# Altium PCB DIO_MCX.PCBDOC (part 2 of 3) (continued)
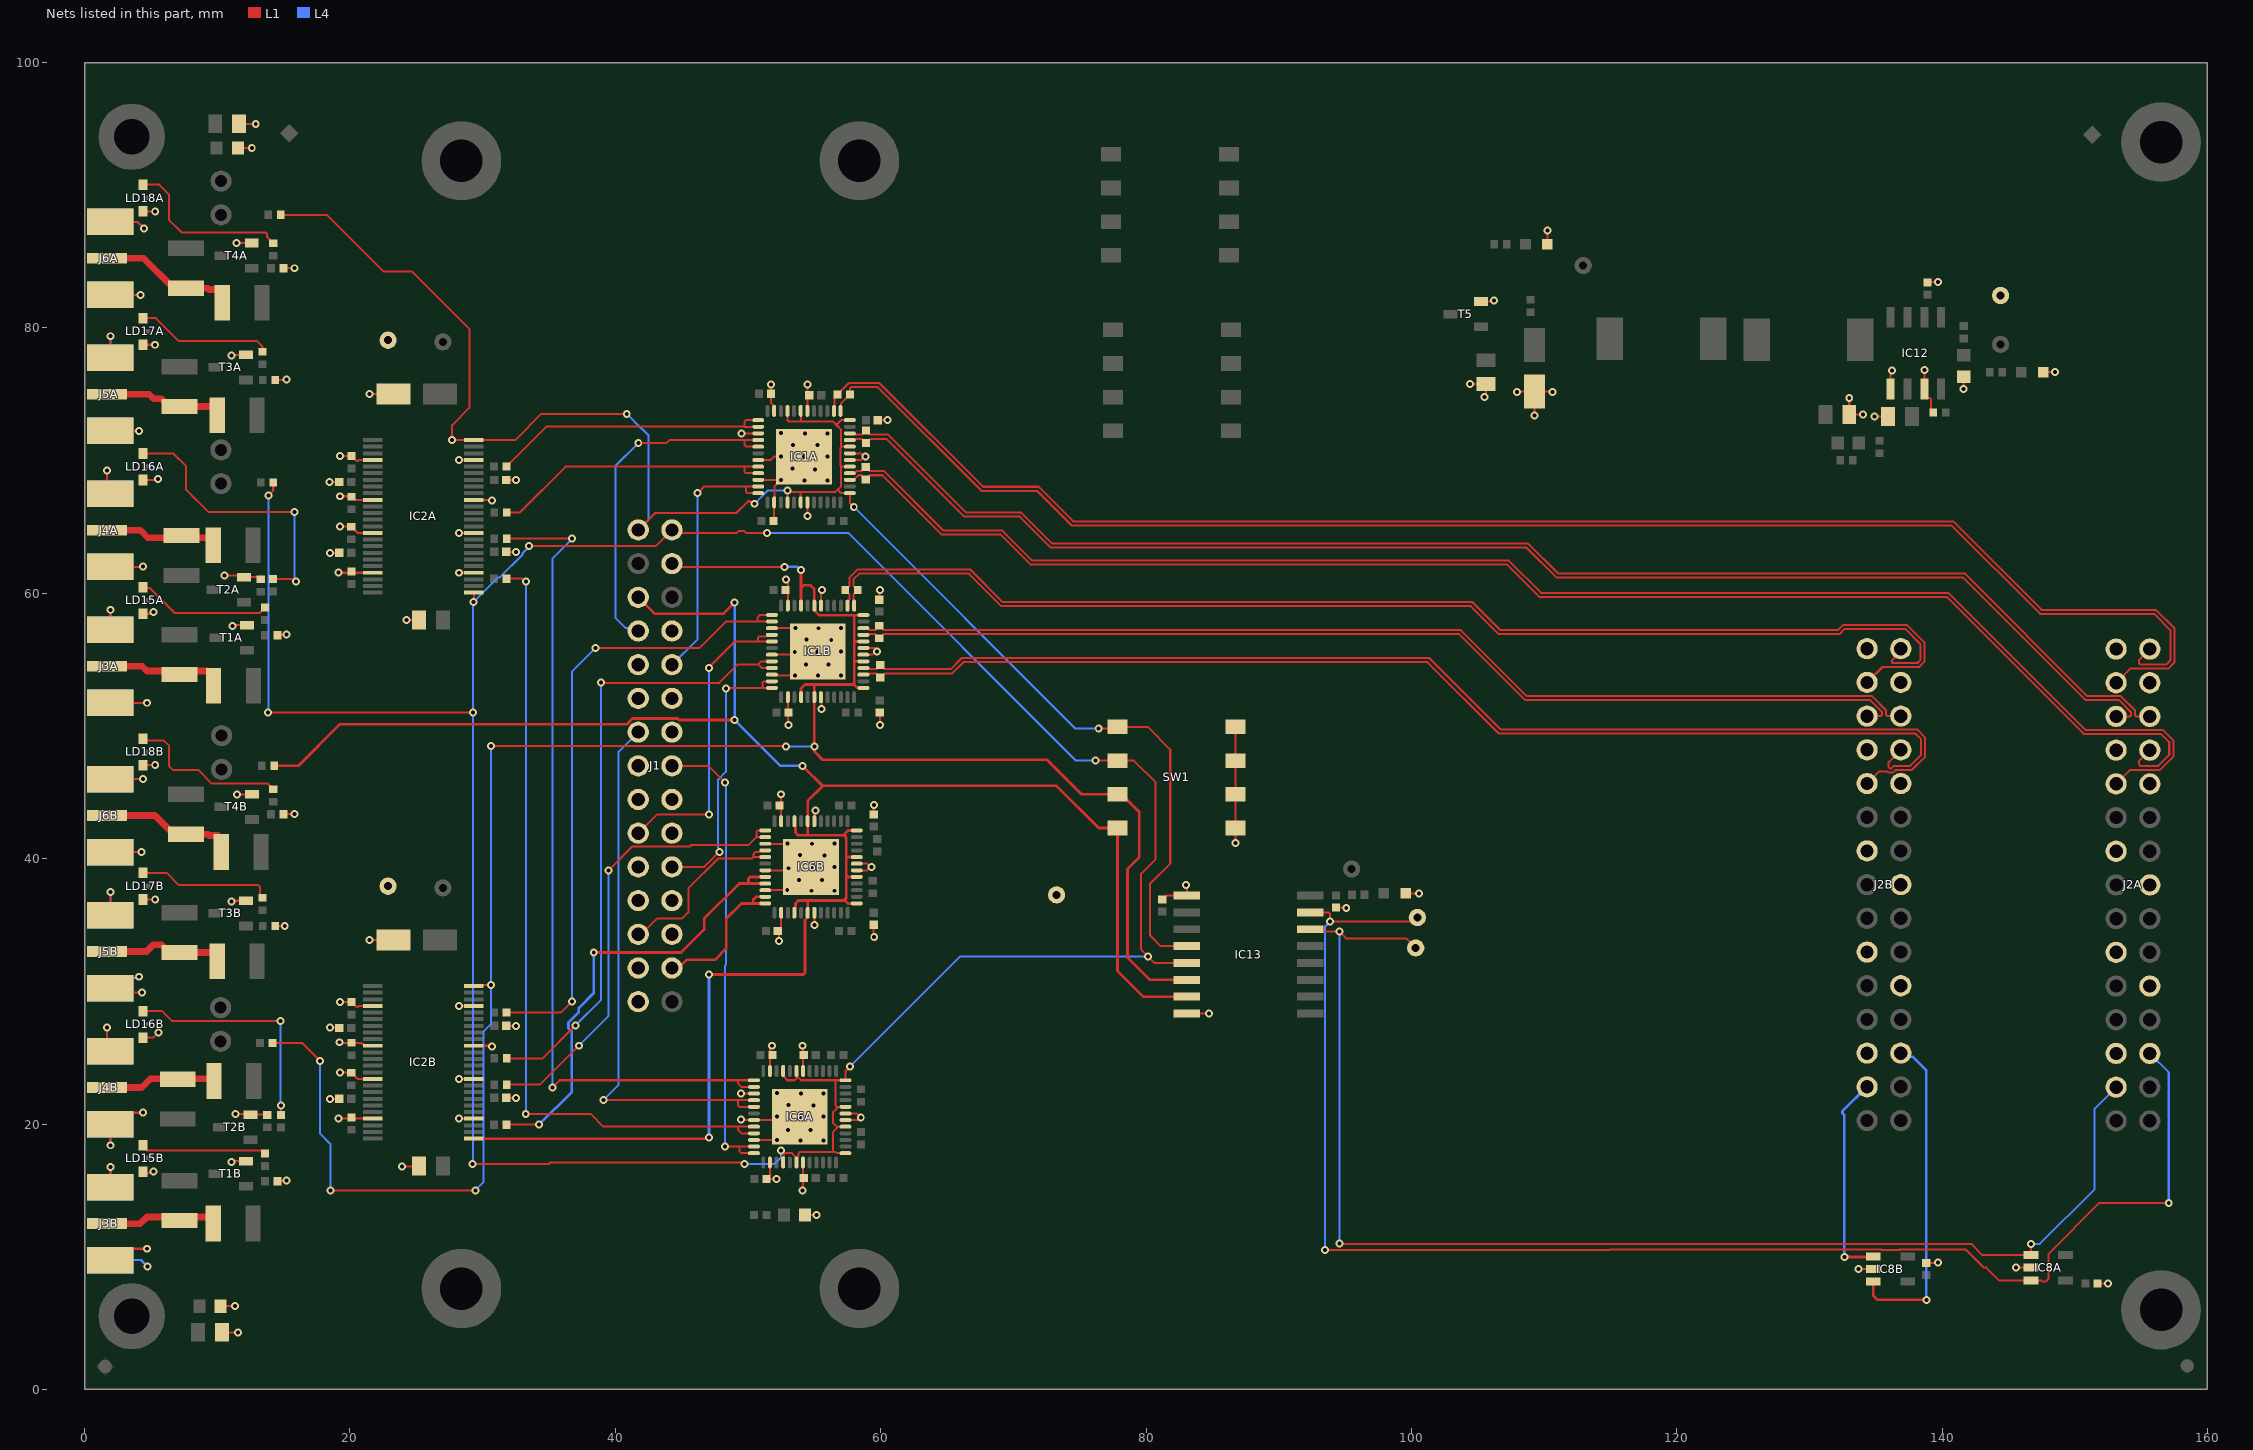
[diagram p4: the nets of this part, all layers, seen from the top]
## Via types
v1: diameter 0.6, hole 0.3, L1 to L4, tented both sides, 272 vias
v2: diameter 0.6, hole 0.3, L1 to L4, 52 vias

## Nets (pads, with @x,y where several pads share a name; then routed paths per layer and width w, separated by ;. In a path a pad name is that pad's centre, name@x,y a point inside that pad or via, vN(x,y) a via of type N, cw(c..) or ccw(c..) an arc to the next point about the centre after c; other vN are vias at no path point)
DIR_CTRL0: IC1A.1 IC1A.5 IC1A.8 IC1A.12 IC1A.19 IC1A.21 IC1A.40 IC1A.42 IC2A.24 IC13.4 J1.30 R1.2 SW1.1 | length 133.1
  L1 w0.152: R1.2@14.784,88.523 18.261,88.523 22.517,84.267 24.658,84.267 29,79.925 29,73.975 27.699,72.674 v1(27.7,71.549) IC2A.24@29.325,71.55 32.458,71.55 34.432,73.523 v1(40.862,73.523) ; J1.30@41.73,64.78 43,66.05 49.124,66.05 50.012,66.938 50.138,66.938 50.192,66.884 50.244,66.884 50.379,66.75 v1(50.5,66.75) ; IC1A.40@52.975,66.85 52.975,67.636 53.034,67.695 53.089,67.639 53.975,67.639 ; IC1A.21@52.975,73.75 52.975,73.05 53.064,72.961 54,72.961 ; IC1A.42@53.975,66.85 53.975,67.639 ; IC1A.19@53.975,73.75 54,73.725 54,72.961 ; IC1A.5@57.675,69.55 57.064,69.55 ; IC1A.8@57.675,71.05 57.064,71.05 ; IC1A.12@57.675,73.05 57.013,73.05 56.707,72.744 56.707,72.646 ; v1(57.972,66.51) 57.947,66.51 57.675,66.782 IC1A.1@57.675,67.55 57.013,67.55 56.803,67.76 56.803,67.859 ; v1(76.435,49.809) 77.724,49.809 SW1.1@77.85,49.935 80.115,49.935 81.825,48.225 81.825,39.625 80.296,38.096 80.296,34.219 81.105,33.41 IC13.4@83.075,33.41 ; 53.975,67.639 56.583,67.639 56.803,67.859 ; 54,72.961 56.392,72.961 56.707,72.646 ; 56.707,72.646 57.022,72.331 57.022,71.092 57.064,71.05 ; 56.803,67.859 57.022,68.078 57.022,69.508 57.064,69.55 ; 57.064,69.55 56.975,69.639 56.975,70.961 57.064,71.05
  L4 w0.152: v1(40.862,73.523) 41.962,72.423 42,72.423 42.5,71.923 42.5,65.55 J1.30@41.73,64.78 ; v1(50.5,66.75) 51.5,67.75 v1(52.979,67.75) ; v1(57.972,66.51) 74.673,49.809 v1(76.435,49.809)
DIR_CTRL1: IC2A.1 IC6A.1 IC6A.5 IC6A.8 IC6A.12 IC6A.19 IC6A.21 IC6A.40 IC6A.42 IC13.5 J1.29 R2.2 SW1.2 | length 225.1
  L1 w0.152: v1(13.814,51) 29.257,51 v1(29.282,51.025) ; v1(13.86,67.377) 14.22,67.737 R2.2@14.22,68.35 ; v1(29.25,17) 35.006,17 35.106,17.1 49.661,17.1 49.75,17.011 v1(49.75,17) ; v1(29.325,59.35) 29.362,59.387 29.362,60.013 IC2A.1@29.325,60.05 ; v1(33.5,63.55) 43.04,63.55 J1.29@44.27,64.78 44.5,64.55 49.151,64.55 49.292,64.69 49.708,64.69 49.849,64.55 v1(51.425,64.55) ; IC6A.40@52.65,17.1 52.678,17.128 52.678,17.531 52.71,17.563 52.71,17.711 ; IC6A.21@52.65,24 52.65,23.66 52.724,23.586 52.724,23.576 52.86,23.44 52.86,23.4 52.96,23.3 53.51,23.3 53.65,23.44 IC6A.19@53.65,23.66 ; 52.799,17.8 53.311,17.8 53.4,17.711 53.4,17.7 53.576,17.524 53.576,17.514 IC6A.42@53.65,17.44 ; IC6A.42@53.65,17.1 IC6A.42@53.65,17.44 ; IC6A.19@53.65,24 IC6A.19@53.65,23.66 ; 56.821,21.298 56.425,20.902 56.425,20.063 56.688,19.8 56.81,19.8 ; IC6A.1@57.35,17.8 56.688,17.8 56.613,17.875 56.4,17.875 ; IC6A.5@57.35,19.8 56.81,19.8 ; IC6A.8@57.35,21.3 56.702,21.3 56.613,21.389 56.613,23.211 56.702,23.3 ; v1(57.685,24.328) 57.35,23.993 IC6A.12@57.35,23.3 56.702,23.3 ; v1(76.191,47.395) SW1.2@77.85,47.395 79.083,47.395 80.725,45.753 80.725,39.967 79.633,38.875 79.633,33.142 80.635,32.14 IC13.5@83.075,32.14 ; IC6A.42@53.65,17.44 53.724,17.514 53.724,17.524 53.81,17.61 53.81,17.786 53.899,17.875 56.4,17.875 ; IC6A.19@53.65,23.66 53.724,23.586 53.724,23.576 54,23.3 56.702,23.3 ; 56.4,17.875 56.4,19.39 56.81,19.8
  L4 w0.152: v1(13.814,51) 13.86,51.046 v1(13.86,67.377) ; v1(29.25,17) 29.282,17.032 v1(29.282,51.025) 29.282,59.307 v1(29.325,59.35) 31.182,61.207 31.292,61.207 33.003,62.918 33.003,63.028 33.5,63.525 v1(33.5,63.55) ; v1(49.75,17) 51.999,17 52.5,17.501 v1(52.5,18) ; v1(51.425,64.55) 57.564,64.55 74.719,47.395 v1(76.191,47.395) ; v1(57.685,24.328) 65.998,32.641 v1(80.134,32.641)
DIR_CTRL2: IC1B.1 IC1B.5 IC1B.8 IC1B.12 IC1B.19 IC1B.21 IC1B.40 IC1B.42 IC2B.24 IC13.6 J1.27 R32.2 SW1.3 | length 164.3
  L1 w0.152: R32.2@14.158,26.106 16.394,26.106 v1(17.75,24.75) ; v1(18.53,15) v1(29.45,15) ; IC2B.24@29.325,30.4 29.399,30.474 30.031,30.474 30.045,30.488 v1(30.621,30.488) ; v1(30.621,48.5) 52.812,48.5 v1(52.862,48.45) ; J1.27@44.27,62.24 44.51,62 v1(52.75,62)
  L1 w0.203: IC1B.40@54,52.17 54,52.818 54.302,53.12 55.048,53.12 ; IC1B.21@54,59.07 54,60.408 ; v1(54,61.746) 54,60.408 ; IC1B.1@58.7,52.87 58.681,52.889 58.231,52.889 58,53.12 ; IC1B.5@58.7,54.87 58,54.87 ; IC1B.8@58.7,56.37 58,56.37 ; IC1B.12@58.7,58.37 58.681,58.352 58.313,58.352 58.304,58.343 58,58.343 ; IC13.6@83.075,30.87 80.296,30.87 78.6,32.566 78.6,39.225 79.5,40.125 79.5,43.5 78.145,44.855 SW1.3@77.85,44.855 75.145,44.855 72.543,47.457 55.6,47.457 54.996,48.061 v1(54.996,48.45) 54.996,51.494 55,51.498 IC1B.42@55,52.17 55,53.072 55.048,53.12 ; 54,60.408 54.192,60.6 54.725,60.6 55,60.325 IC1B.19@55,59.07 55,58.744 55.048,58.695 55.048,58.672 55.25,58.47 55.25,58.462 55.369,58.343 58,58.343 ; 55.048,53.12 58,53.12 ; 58,53.12 58,54.87 ; 58,54.87 58,56.37 ; 58,56.37 58,58.343
  L4 w0.152: v1(17.75,24.75) 17.75,19.274 18.53,18.494 v1(18.53,15) ; v1(29.45,15) 30.061,15.611 30.061,26.961 30.621,27.521 v1(30.621,30.488) v1(30.621,48.5) ; v1(52.862,48.45) v1(54.996,48.45)
  L4 w0.203: v1(52.75,62) 53.683,62 53.936,61.746 v1(54,61.746)
DIR_CTRL3: IC2B.1 IC6B.1 IC6B.5 IC6B.8 IC6B.12 IC6B.19 IC6B.21 IC6B.40 IC6B.42 IC13.7 J1.26 R33.2 SW1.4 | length 167.4
  L1 w0.203: R33.2@14.3,47 16.103,47 19.229,50.126 40.862,50.126 41.304,50.569 44.696,50.569 44.807,50.457 v1(49,50.457) ; IC2B.1@29.325,18.9 46.747,18.9 46.758,18.911 46.988,18.911 v1(47.064,18.987) ; J1.26@41.73,59.7 42.968,58.462 48.155,58.462 v1(49,59.307) ; v1(47.064,31.273) 54.183,31.273 54.302,31.392 54.302,35.377 54.452,35.527 54.452,35.55 54.5,35.599 IC6B.42@54.5,35.925 54.5,36.84 ; IC6B.40@53.5,35.925 53.5,36.251 53.574,36.325 53.574,36.625 53.789,36.84 54.5,36.84 ; IC6B.21@53.5,42.825 53.5,42.499 53.576,42.423 53.576,41.965 53.776,41.765 54.5,41.765 ; v1(54.125,47) 55.635,45.49 ; IC6B.1@58.2,36.625 57.538,36.625 57.307,36.855 57.307,36.932 ; IC6B.5@58.2,38.625 57.538,38.625 57.4,38.763 ; IC6B.8@58.2,40.125 57.444,40.125 57.4,40.169 ; IC6B.12@58.2,42.125 57.538,42.125 57.305,41.892 57.305,41.67 ; IC13.7@83.075,29.6 79.783,29.6 77.85,31.533 SW1.4@77.85,42.315 76.435,42.315 73.26,45.49 55.635,45.49 ; 54.5,36.84 57.215,36.84 57.307,36.932 ; 54.5,41.765 57.21,41.765 57.305,41.67 ; 54.5,41.765 IC6B.19@54.5,42.825 54.5,44.355 55.635,45.49 ; 57.305,41.67 57.4,41.575 57.4,40.169 ; 57.307,36.932 57.4,37.025 57.4,38.763 ; 57.4,38.763 57.4,40.169
  L4 w0.203: v1(47.064,18.987) v1(47.064,31.273) ; v1(49,59.307) v1(49,50.457) 52.457,47 v1(54.125,47)
GND: B1.1 B4.1 B10A.1 B10B.1 C1A.1 C1B.1 C2A.1 C2B.1 C3A.1 C3B.1 C4A.1 C4B.1 C5.2 C6.2 C7A.1 C7B.1 C8A.1 C8B.1 C9A.1 C9B.1 C10A.1 C10B.1 C11A.1 C11B.1 C12A.1 C12B.1 C13.2 C14.1 C37.1 C38.1 C48A.1 C48B.1 C49A.1 C49B.1 C50A.1 C50B.1 C51A.1 C51B.1 C52A.2 C52B.2 C93.1 C95.1 C121.1 C123.1 IC1A.6 IC1A.7 IC1A.18 IC1A.23 IC1A.27 IC1A.31 IC1A.34 IC1A.38 IC1A.43 IC1A.49 IC1B.6 IC1B.7 IC1B.18 IC1B.23 IC1B.27 IC1B.31 IC1B.34 IC1B.38 IC1B.43 IC1B.49 IC2A.4 IC2A.10 IC2A.15 IC2A.21 IC2A.28 IC2A.34 IC2A.39 IC2A.45 IC2B.4 IC2B.10 IC2B.15 IC2B.21 IC2B.28 IC2B.34 IC2B.39 IC2B.45 IC6A.6 IC6A.7 IC6A.18 IC6A.23 IC6A.27 IC6A.31 IC6A.34 IC6A.38 IC6A.43 IC6A.49 IC6B.6 IC6B.7 IC6B.18 IC6B.23 IC6B.27 IC6B.31 IC6B.34 IC6B.38 IC6B.43 IC6B.49 IC8A.2 IC8B.2 IC12.1 IC12.3 IC13.1 IC13.8 J1.2 J1.4 J1.5 J1.7 J1.8 J1.10 J1.11 J1.13 J1.14 J1.16 J1.17 J1.19 J1.20 J1.22 J1.23 J2A.1 J2A.4 J2A.7 J2A.10 J2A.13 J2A.16 J2A.19 J2A.22 J2A.25 J2B.1 J2B.4 J2B.7 J2B.10 J2B.13 J2B.16 J2B.19 J2B.22 J2B.25 J3A.2 J3B.2 J4A.2 J4B.2 J5A.2 J5B.2 J6A.2 J6B.2 LD4.1 LD7.1 LD9.1 LD15A.1 LD15B.1 LD16A.1 LD16B.1 LD17A.1 LD17B.1 LD18A.1 LD18B.1 R19A.1 R19B.1 R20A.1 R20B.1 R22A.1 R22B.1 R23A.1 R23B.1 R31.2 R34.1 R35.1 R103.2 R140A.1 R140B.1 R143A.1 R143B.1 R146A.1 R146B.1 R149A.1 R149B.1 SW1.5 SW1.6 SW1.7 SW1.8 T1A.2 T1B.2 T2A.2 T2B.2 T3A.2 T3B.2 T4A.2 T4B.2 T5.2 | length 247.5
  L1 w0.152: v1(1.7,27.261) 1.7,25.75 J4B.2@1.95,25.5 ; v1(1.7,69.264) 1.7,67.75 J4A.2@1.95,67.5 ; J3B.2@1.95,10.6 v1(4.7,10.6) ; J3B.2@1.95,16.1 v1(1.95,16.764) ; v1(1.95,18.4) J4B.2@1.95,20 ; J4B.2@1.95,20.85 4.374,20.85 v1(4.4,20.876) ; J5B.2@1.95,30.25 2.3,29.9 v1(4.343,29.9) ; J5B.2@1.95,35.75 v1(1.95,37.501) ; J6B.2@1.95,40.5 v1(4.304,40.5) ; J6B.2@1.95,46 v1(4.4,46) ; J3A.2@1.95,51.75 v1(4.7,51.75) ; J3A.2@1.95,57.25 v1(1.95,58.759) ; J4A.2@1.95,62 4.374,62 v1(4.4,62.026) ; J5A.2@1.95,72.25 v1(4.1,72.25) ; J5A.2@1.95,77.75 v1(1.95,79.375) ; J6A.2@1.95,82.5 v1(4.203,82.5) ; J6A.2@1.95,88 3.984,88 v1(4.484,87.5) ; LD16A.1@4.343,68.537 v1@5.432,68.537 ; LD15B.1@4.4,16.309 4.954,16.309 5.079,16.434 v1(5.2,16.434) ; LD16B.1@4.4,26.506 5.181,26.506 v1@5.489,26.814 ; LD17B.1@4.4,36.925 v1(5.325,36.925) ; LD18B.1@4.4,47.043 v1(5.325,47.043) ; LD15A.1@4.4,58.459 4.954,58.459 5.079,58.584 v1(5.2,58.584) ; LD17A.1@4.4,78.732 v1(5.299,78.732) ; LD18A.1@4.4,88.793 v1(5.325,88.793) ; R34.1@10.25,6.268 v1(11.353,6.268) ; C5.2@10.35,4.3 v1(11.553,4.3) ; v1(10.55,61.35) 11.869,61.35 T2A.2@12,61.219 13.111,61.219 R20A.1@13.28,61.05 ; v1(11.083,17.139) 11.147,17.204 T1B.2@12.153,17.204 ; v1(11.083,36.781) 11.131,36.829 T3B.2@12.15,36.829 ; v1(11.083,77.931) 11.131,77.979 T3A.2@12.15,77.979 ; v1(11.163,57.536) 11.227,57.6 T1A.2@12.233,57.6 ; v1(11.392,20.763) 12.442,20.763 T2B.2@12.492,20.713 13.738,20.713 R20B.1@13.764,20.687 ; v1(11.45,86.39) 11.46,86.4 T4A.2@12.6,86.4 ; v1(11.473,44.84) 11.483,44.85 T4B.2@12.623,44.85 ; R35.1@11.55,93.568 v1(12.6,93.568) ; C6.2@11.65,95.388 v1(12.9,95.388) ; R22B.1@14.37,34.929 v1(15.087,34.929) ; R22A.1@14.37,76.079 v1@15.194,76.079 ; R19B.1@14.545,15.691 15.161,15.691 v1(15.224,15.754) ; R19A.1@14.545,56.841 15.161,56.841 v1(15.224,56.904) ; R23B.1@14.995,43.35 v1(15.826,43.35) ; R23A.1@14.995,84.5 v1(15.826,84.5) ; v1(18.47,68.381) C48A.1@19.2,68.381 ; v1(18.5,21.9) C51B.1@19.19,21.9 ; v1(18.5,27.261) 19.17,27.261 C48B.1@19.2,27.231 ; v1(18.5,63.05) C51A.1@19.19,63.05 ; v1(19.14,20.41) 19.15,20.4 IC2B.45@21.725,20.4 ; v1(19.14,61.56) 19.15,61.55 IC2A.45@21.725,61.55 ; v1(19.2,26.164) 19.244,26.12 R146B.1@20.11,26.12 20.843,26.12 20.916,26.047 21.003,26.047 21.15,25.9 IC2B.34@21.725,25.9 ; v1(19.244,23.87) R143B.1@20.1,23.87 20.57,23.4 IC2B.39@21.725,23.4 ; v1(19.244,29.194) R149B.1@20.11,29.194 20.478,28.826 20.605,28.826 20.679,28.9 IC2B.28@21.725,28.9 ; v1(19.244,65.02) R143A.1@20.1,65.02 20.57,64.55 IC2A.39@21.725,64.55 ; v1(19.244,70.344) R149A.1@20.11,70.344 20.478,69.976 20.605,69.976 20.679,70.05 IC2A.28@21.725,70.05 ; v1(19.249,67.314) 20.066,67.314 R146A.1@20.11,67.27 20.324,67.056 20.427,67.056 20.433,67.05 IC2A.34@21.725,67.05 ; v1(21.475,33.873) C52B.2@23.275,33.873 ; v1(21.475,75.023) C52A.2@23.275,75.023 ; v1(23.925,16.792) 25.152,16.792 C12B.1@25.2,16.839 ; v1(24.25,57.98) 24.26,57.989 C12A.1@25.2,57.989 ; v1(28.225,20.4) IC2B.4@29.325,20.4 ; v1(28.225,23.4) IC2B.10@29.325,23.4 ; v1(28.225,28.9) IC2B.21@29.325,28.9 ; v1(28.225,61.55) IC2A.4@29.325,61.55 ; v1(28.225,64.55) IC2A.10@29.325,64.55 ; v1(28.225,70.05) IC2A.21@29.325,70.05 ; IC2B.15@29.325,25.9 30.66,25.9 v1(30.709,25.851) ; IC2A.15@29.325,67.05 30.66,67.05 v1(30.709,67.001) ; C49B.1@31.775,21.976 v1(32.5,21.976) ; C50B.1@31.775,27.4 v1(32.5,27.4) ; C49A.1@31.775,63.126 v1(32.5,63.126) ; C50A.1@31.775,68.55 v1(32.5,68.55) ; v1(49.489,20.328) 49.518,20.3 IC6A.31@50.45,20.3 IC6A.49@53.65,20.3 ; v1(49.489,22.3) IC6A.27@50.45,22.3 ; v1(49.5,72.053) 50.772,72.053 IC1A.27@50.775,72.05 ; IC6A.34@50.45,18.8 IC6A.49@52.15,18.8 ; IC1A.34@50.775,68.55 v2(52.475,68.55) ; IC1A.31@50.775,70.05 51.725,70.05 51.975,70.3 v2(52.5,70.3) ; IC6B.34@51.3,37.625 51.308,37.633 v2(52.96,37.633) ; IC6B.31@51.3,39.125 52.882,39.125 v2(53.035,39.278) ; IC6B.27@51.3,41.125 51.328,41.097 52.945,41.097 v2(52.978,41.13) ; IC6A.38@51.65,17.1 51.65,16.187 51.634,16.171 51.634,16.098 C2A.1@51.4,15.864 v1(52.15,15.864) ; IC6A.23@51.65,24 51.65,25.75 v1(51.8,25.9) ; v1(51.725,75.75) C8A.1@51.725,75.042 51.725,74.35 51.901,74.174 51.901,74.164 51.975,74.09 IC1A.23@51.975,73.75 ; IC1B.34@51.8,53.87 51.847,53.823 v2(53.525,53.823) ; IC1B.31@51.8,55.37 53.326,55.37 v2(53.525,55.568) ; C9A.1@51.925,65.449 51.975,65.499 IC1A.38@51.975,66.85 52,66.875 52,68.075 v2(54.225,70.3) ; v1(52.325,33.798) 52.325,34.475 C1B.1@52.25,34.55 52.5,34.8 IC6B.38@52.5,35.925 ; IC6B.23@52.5,42.825 v1(52.5,44.855) ; v1(52.875,61.05) 52.961,60.964 52.961,60.776 53,60.737 IC1B.23@53,59.07 ; IC1B.38@53,52.17 53,50.126 v1(53.064,50.062) ; v2(53.574,57.371) IC1B.27@51.801,57.371 ; v1(54.125,15) 54.15,15.025 IC6A.43@54.15,17.1 ; v1(54.125,25.9) 54.15,25.875 IC6A.18@54.15,24 ; R31.2@54.31,13.15 v1(55.15,13.15) ; IC1A.43@54.475,66.85 54.475,65.865 v1(54.5,65.84) ; IC1A.18@54.475,73.75 54.475,74.78 C4A.1@54.625,74.93 54.475,75.08 v1(54.475,75.75) ; v1(55,35.01) IC6B.43@55,35.925 ; IC6B.18@55,42.825 55.028,42.853 55.028,43.596 v1(55.079,43.646) ; IC1B.43@55.5,52.17 55.525,52.145 v1(55.525,51.275) ; IC1B.18@55.5,59.07 55.5,60.168 v1(55.575,60.243) ; IC6A.6@57.35,20.3 58.3,20.3 v1(58.5,20.5) 58.2,20.8 IC6A.7@57.35,20.8 ; IC1A.6@57.675,70.05 58.532,70.05 58.782,70.3 58.532,70.55 IC1A.7@57.675,70.55 ; IC6B.6@58.2,39.125 58.992,39.125 59.247,39.38 59.237,39.38 58.992,39.625 IC6B.7@58.2,39.625 ; IC1B.6@58.7,55.37 59.362,55.37 v1@59.527,55.534 ; IC1B.7@58.7,55.87 v1@59.585,55.87 ; C9B.1@59.475,35.025 59.475,34.13 v1(59.515,34.09) ; C7B.1@59.475,43.325 59.475,44.027 v1(59.498,44.05) ; C1A.1@59.785,73.05 v1(60.5,73.05) ; C8B.1@59.9,59.52 59.9,60.23 v1(59.935,60.265) ; v1(59.935,50.062) C4B.1@59.935,51.025 ; C38.1@81.225,36.925 81.52,37.22 IC13.1@83.075,37.22 83.075,37.95 v1(83,38.025) ; IC13.8@83.075,28.33 v1(84.75,28.33) ; v1(86.75,41.164) SW1.5@86.75,42.315 SW1.8@86.75,49.935 ; C10B.1@94.323,36.324 95.04,36.324 v1(95.09,36.274) ; LD9.1@99.575,37.385 v1(100.575,37.385) ; v1(104.4,75.765) C14.1@105.625,75.765 105.625,75.026 105.5,74.901 v1(105.5,74.78) ; T5.2@105.25,81.99 106.178,81.99 v1(106.242,82.054) ; v1(107.95,75.163) 108.003,75.215 C13.2@109.275,75.215 ; v1(109.275,73.415) C13.2@109.275,75.215 ; LD7.1@110.25,86.3 v1(110.25,87.34) ; v1(110.65,75.175) 110.61,75.215 C13.2@109.275,75.215 ; v1(133,74.722) C121.1@133,73.475 v1(134.05,73.475) ; v1(133.702,9.073) IC8B.2@134.809,9.073 ; v1(134.895,73.325) C123.1@135.925,73.325 ; IC12.1@136.12,75.4 136.12,76.464 136.144,76.488 136.144,76.691 v1(136.23,76.777) ; v1(138.657,76.835) 138.66,76.832 IC12.3@138.66,75.4 138.66,74.946 138.884,74.722 139.076,74.722 139.165,74.633 139.165,73.79 R103.2@139.33,73.625 ; C37.1@138.809,9.523 139.628,9.523 v1(139.678,9.573) ; C93.1@138.89,83.415 138.94,83.465 v1(139.678,83.465) ; v1(141.625,75.4) C95.1@141.625,76.335 ; v1(145.555,9.173) IC8A.2@146.7,9.173 ; LD4.1@147.625,76.665 v1(148.5,76.665) ; C10A.1@151.7,7.985 v1(152.5,7.985) ; IC1B.27@51.8,57.37 IC1B.27@51.801,57.371
  L4 w0.152: v1(1.7,27.261) 1.7,25.75 J4B.2@1.95,25.5 ; v1(1.7,69.264) 1.7,67.75 J4A.2@1.95,67.5 ; J3B.2@1.95,9.75 4.25,9.75 v1(4.75,9.25) ; J3B.2@1.95,15.25 v1(1.95,16.764) ; v1(1.95,18.4) J4B.2@1.95,20 ; J5B.2@1.95,30.25 2.723,31.023 4.023,31.023 v1(4.1,31.1) ; J5B.2@1.95,35.75 v1(1.95,37.501) ; J6B.2@1.95,40.5 v1(4.304,40.5) ; J6B.2@1.95,46 v1(4.4,46) ; J3A.2@1.95,51.75 v1(4.7,51.75) ; J3A.2@1.95,57.25 v1(1.95,58.759) ; J4A.2@1.95,62 4.374,62 v1(4.4,62.026) ; J5A.2@1.95,72.25 v1(4.1,72.25) ; J5A.2@1.95,77.75 v1(1.95,79.375) ; J6A.2@1.95,82.5 v1(4.203,82.5) ; J6A.2@1.95,88 3.984,88 v1(4.484,87.5)
  other v1: 5.575,26.9 59.305,39.38 59.71,55.616 5.518,68.623 58.845,70.3 15.224,76.109
  other v2: 53.94,18.757 55.675,18.757 52.175,18.8 53.012,19.566 54.723,19.566 52.175,20.55 53.9,20.55 55.675,20.55 53.061,21.437 54.925,21.415 53.977,22.3 55.675,22.305 52.175,22.35 54.79,37.582 56.525,37.582 53.862,38.391 55.573,38.391 54.75,39.375 56.525,39.375 55.775,40.24 53.911,40.262 54.827,41.125 56.525,41.13 55.29,53.823 57.025,53.823 54.362,54.632 56.073,54.632 55.25,55.616 57.025,55.616 56.275,56.481 54.411,56.503 55.327,57.366 57.025,57.371 54.265,68.507 56,68.507 55.048,69.316 53.337,69.412 56,70.3 55.25,71.165 53.386,71.187 54.302,72.05 56,72.055 52.5,72.1
I2C_SCL: B8.1 IC8A.1 IC13.14 J2A.27 | length 100.2
  L1 w0.152: IC13.14@92.375,34.68 92.555,34.5 v1(94.575,34.5) 95.075,34 99.6,34 B8.1@100.325,33.275 ; v1(94.598,11) 94.625,10.973 142.181,10.973 143.031,10.123 IC8A.1@146.7,10.123 v1(146.7,10.973)
  L4 w0.152: v1(94.575,34.5) 94.598,34.477 v1(94.598,11) ; v1(146.7,10.973) 147.373,10.973 151.5,15.1 151.5,21.164 J2A.27@153.114,22.778
I2C_SCLB: IC8B.1 J2B.27 | length 15.9
  L1 w0.203: v1(132.629,9.983) 134.769,9.983 IC8B.1@134.809,10.023
  L4 w0.203: v1(132.629,9.983) 132.629,20.683 132.497,20.815 132.497,20.983 134.318,22.804 J2B.27@134.344,22.804
I2C_SDA: B7.1 IC8A.3 IC13.15 J2A.26 | length 113.8
  L1 w0.152: IC13.15@92.375,35.95 93.774,35.95 93.863,35.861 v1(93.863,35.25) 99.824,35.25 100.139,35.565 B7.1@100.45,35.565 ; v1(93.5,10.5) 93.523,10.523 94.363,10.523 94.389,10.497 114.902,10.497 114.931,10.526 135.443,10.526 135.446,10.523 136.771,10.523 136.775,10.526 141.802,10.526 143.155,9.173 143.326,9.173 144.276,8.223 IC8A.3@146.7,8.223 147.475,8.223 147.575,8.123 147.8,8.123 148,8.323 148,10.198 151.855,14.053 v1(157.08,14.053)
  L4 w0.152: v1(93.5,10.5) 93.5,34.887 v1(93.863,35.25) ; J2A.26@155.654,25.318 157.08,23.893 v1(157.08,14.053)
I2C_SDAB: IC8B.3 J2B.26 | length 24.9
  L1 w0.203: IC8B.3@134.809,8.123 134.809,7.087 135.146,6.75 v1(138.809,6.75)
  L4 w0.203: J2B.26@136.884,25.344 137.151,25.077 137.757,25.077 138.809,24.025 v1(138.809,6.75)
IO0: IC1A.25 IC1A.26 R29A.2 | length 21.7
  L1 w0.152: R29A.2@31.795,69.55 34.801,72.556 49.744,72.556 49.75,72.55 ; IC1A.26@50.775,72.55 49.75,72.55 ; IC1A.25@50.775,73.05 49.839,73.05 49.75,72.961 49.75,72.55
IO1: IC1A.28 IC1A.29 J1.24 | length 26.6
  L1 w0.152: v1(41.73,71.323) 43.847,71.323 44.074,71.55 49.75,71.55 ; IC1A.29@50.775,71.05 50.772,71.053 49.861,71.053 49.75,71.165 49.75,71.55 ; IC1A.28@50.775,71.55 49.75,71.55
  L4 w0.152: J1.24@41.73,57.16 41.522,57.367 40.791,57.367 40,58.158 40,69.593 v1(41.73,71.323)
IO2: IC1A.32 IC1A.33 R28A.2 | length 21.9
  L1 w0.152: R28A.2@31.815,66.1 32.814,66.1 36.264,69.55 49.75,69.55 ; IC1A.33@50.775,69.05 49.839,69.05 49.75,69.139 49.75,69.55 ; IC1A.32@50.775,69.55 49.75,69.55
IO3: IC1A.35 IC1A.36 J1.21 | length 19.9
  L1 w0.152: v1(46.2,67.55) 46.7,68.05 49.839,68.05 ; IC1A.36@50.775,67.55 49.929,67.55 49.839,67.639 49.839,68.05 ; IC1A.35@50.775,68.05 49.839,68.05
  L4 w0.152: J1.21@44.27,54.62 46.2,56.55 v1(46.2,67.55)
IO4: IC6A.25 IC6A.26 R27A.2 | length 63.9
  L1 w0.152: R27A.2@31.815,64.116 v1(36.75,64.116) ; v1(35.25,22.75) 35.8,23.3 49.25,23.3 ; IC6A.26@50.45,22.8 50.447,22.803 49.497,22.803 49.25,23.05 49.25,23.3 ; IC6A.25@50.45,23.3 49.25,23.3
  L4 w0.152: v1(35.25,22.75) 35.25,62.616 v1(36.75,64.116)
IO5: IC6A.28 IC6A.29 J1.18 | length 41.8
  L1 w0.152: v1(39.1,21.8) 49.25,21.8 ; IC6A.29@50.45,21.3 49.35,21.3 49.25,21.4 49.25,21.8 ; IC6A.28@50.45,21.8 50.447,21.797 49.281,21.797 49.278,21.8 49.25,21.8
  L4 w0.152: v1(39.1,21.8) 40.25,22.95 40.25,48.06 J1.18@41.73,49.54
IO6: IC6A.32 IC6A.33 R26A.2 | length 60.8
  L1 w0.152: R26A.2@31.795,61.1 32.951,61.1 33.154,60.897 v1(33.264,60.897) ; v1(33.25,20.763) 38.138,20.763 39.101,19.8 49.25,19.8 ; IC6A.33@50.45,19.3 49.5,19.3 49.25,19.55 49.25,19.8 ; IC6A.32@50.45,19.8 49.25,19.8
  L4 w0.152: v1(33.25,20.763) 33.264,20.777 v1(33.264,60.897)
IO7: IC6A.35 IC6A.36 J1.15 | length 35.8
  L1 w0.152: J1.15@44.27,47 47,47 v1(48.25,45.75) ; v1(48.25,18.3) 49.35,18.3 ; IC6A.36@50.45,17.8 49.489,17.8 49.35,17.939 49.35,18.3 ; IC6A.35@50.45,18.3 49.35,18.3
  L4 w0.152: v1(48.25,18.3) 48.25,31.923 48.352,32.025 48.352,45.527 48.25,45.629 v1(48.25,45.75)
IO8: IC1B.25 IC1B.26 R29B.2 | length 48.2
  L1 w0.152: R29B.2@31.795,28.4 35.901,28.4 v1(36.725,29.224) ; v1(38.5,55.87) 46.329,55.87 48.329,57.87 50.725,57.87 ; IC1B.26@51.8,57.87 50.725,57.87 ; IC1B.25@51.8,58.37 50.907,58.37 50.725,58.188 50.725,57.87
  L4 w0.152: v1(36.725,29.224) 36.725,54.095 v1(38.5,55.87)
IO9: IC1B.28 IC1B.29 J1.12 | length 24
  L1 w0.152: J1.12@41.73,41.92 43.135,43.325 v1(47.064,43.325) ; v1(47.064,54.37) 47.064,54.434 49,56.37 50.75,56.37 ; IC1B.29@51.8,56.37 50.75,56.37 ; IC1B.28@51.8,56.87 51.466,56.87 51.337,56.741 50.839,56.741 50.75,56.652 50.75,56.37
  L4 w0.152: v1(47.064,43.325) v1(47.064,54.37)
IO10: IC1B.32 IC1B.33 R28B.2 | length 47.6
  L1 w0.152: R28B.2@31.815,24.95 34.52,24.95 v1(37,27.43) ; v1(38.936,53.281) 38.966,53.251 47.849,53.251 49.24,54.642 50.772,54.642 ; IC1B.33@51.8,54.37 51.044,54.37 50.772,54.642 ; IC1B.32@51.8,54.87 51,54.87 50.772,54.642
  L4 w0.152: v1(37,27.43) 38.936,29.366 v1(38.936,53.281)
IO11: IC1B.35 IC1B.36 J1.9 | length 21.3
  L1 w0.152: J1.9@44.27,39.38 46.717,39.38 v1(47.849,40.512) ; v1(48.329,52.818) 48.381,52.87 51.126,52.87 ; IC1B.36@51.8,52.87 51.126,52.87 ; IC1B.35@51.8,53.37 51.189,53.37 51.1,53.281 51.1,52.896 51.126,52.87
  L4 w0.152: v1(47.849,40.512) 47.763,40.597 47.763,40.808 47.747,40.825 47.747,45.958 48.329,46.541 v1(48.329,52.818)
IO12: IC6B.25 IC6B.26 R27B.2 | length 34.8
  L1 w0.152: R27B.2@31.815,22.966 34.316,22.966 v1(37.25,25.9) ; v1(39.5,39.125) 41.292,40.917 45.611,40.917 45.709,41.015 50.027,41.015 50.638,41.625 ; IC6B.26@51.3,41.625 50.638,41.625 ; IC6B.25@51.3,42.125 50.727,42.125 50.638,42.036 50.638,41.625
  L4 w0.152: v1(37.25,25.9) 39.5,28.15 v1(39.5,39.125)
IO13: IC6B.28 IC6B.29 J1.6 | length 14.3
  L1 w0.152: J1.6@41.73,34.3 41.96,34.3 43.135,35.475 45.015,35.475 45.5,35.96 45.5,37.767 47.741,40.008 50.283,40.008 50.4,40.125 ; IC6B.29@51.3,40.125 50.4,40.125 ; IC6B.28@51.3,40.625 50.96,40.625 50.847,40.512 50.6,40.512 50.4,40.312 50.4,40.125
IO14: IC6B.32 IC6B.33 R26B.2 | length 34.6
  L1 w0.152: R26B.2@31.795,19.95 v1(34.26,19.95)
  L1 w0.203: v1(38.375,32.921) 44.964,32.921 46.699,34.656 46.699,35.475 49.349,38.125 50.04,38.125 ; IC6B.33@51.3,38.125 50.04,38.125 ; IC6B.32@51.3,38.625 50.163,38.625 50.04,38.502 50.04,38.125
  L4 w0.203: v1(34.26,19.95) 36.721,22.411 36.721,26.961 36.471,27.211 36.471,27.649 37.25,28.428 37.25,28.75 38.375,29.875 v1(38.375,32.921)
IO15: IC6B.35 IC6B.36 J1.3 | length 11.6
  L1 w0.203: J1.3@44.27,31.76 44.537,32.027 45.032,32.027 45.378,32.373 47.5,32.373 48.352,33.225 48.352,35.472 49.505,36.625 50.4,36.625 ; IC6B.36@51.3,36.625 50.4,36.625 ; IC6B.35@51.3,37.125 50.6,37.125 50.4,36.925 50.4,36.625
IOAA: J6A.1 R17A.1 R148A.2 | length 10.5
  L1 w0.5: J6A.1@1.7,85.25 4.45,85.25 6.7,83 R148A.2@7.65,83 9.274,83 9.381,82.893 10.049,82.893 10.374,82.568 R17A.1@10.374,81.9
IOAB: J6B.1 R17B.1 R148B.2 | length 10.1
  L1 w0.5: J6B.1@1.7,43.25 5.3,43.25 6.7,41.85 9.274,41.85 9.381,41.743 10.049,41.743 10.374,41.418 R17B.1@10.374,40.75
IOBA: J5A.1 R15A.1 R145A.2 | length 9.1
  L1 w0.5: J5A.1@1.7,75 4.873,75 5.2,74.673 5.783,74.673 6.375,74.081 R145A.2@7.15,74.081 9.675,74.081 10,73.756 R15A.1@10,73.423
IOBB: J5B.1 R15B.1 R145B.2 | length 9.2
  L1 w0.5: J5B.1@1.7,33 4.677,33 5.2,33.523 5.783,33.523 6.375,32.931 9.675,32.931 10,32.606 R15B.1@10,32.273
IOCA: J4A.1 R14A.1 R142A.2 | length 8.7
  L1 w0.5: J4A.1@1.7,64.75 4.203,64.75 4.766,64.187 9.6,64.187 9.7,64.087 R14A.1@9.7,63.626
IOCB: J4B.1 R14B.1 R142B.2 | length 8.4
  L1 w0.5: J4B.1@1.7,22.75 4.304,22.75 4.954,23.4 9.603,23.4 R14B.1@9.753,23.25
IODA: J3A.1 R12A.1 R139A.2 | length 8.4
  L1 w0.5: J3A.1@1.7,54.5 4.343,54.5 4.7,54.143 7.15,54.143 9.2,54.143 R12A.1@9.7,53.643
IODB: J3B.1 R12B.1 R139B.2 | length 8.4
  L1 w0.5: J3B.1@1.7,12.493 4.2,12.493 4.7,12.993 9.2,12.993 R12B.1@9.7,12.493
LEDAA: LD15A.2 R18A.2 | length 10.1
  L1 w0.152: LD15A.2@4.4,60.4 4.914,60.4 6.796,58.519 13.189,58.519 R18A.2@13.6,58.929
LEDAB: LD15B.2 R18B.2 | length 9.4
  L1 w0.152: LD15B.2@4.4,18.309 4.695,18.014 13.365,18.014 R18B.2@13.6,17.779
LEDBA: LD16A.2 R25A.2 | length 21.3
  L1 w0.152: LD16A.2@4.4,70.537 6.687,70.537 7.65,69.574 7.65,67.8 8.4,67.05 8.425,67.05 9.355,66.12 v1(15.826,66.12) ; R25A.2@14.211,61.08 15.619,61.08 15.802,60.897 v1(15.923,60.897)
  L4 w0.152: v1(15.826,66.12) 15.826,61.115 15.923,61.018 v1(15.923,60.897)
LEDBB: LD16B.2 R25B.2 | length 17.8
  L1 w0.152: LD16B.2@4.4,28.506 5.85,28.506 6.606,27.75 v1(14.75,27.75) ; R25B.2@14.81,20.68 v1(14.81,21.4)
  L4 w0.152: v1(14.75,27.75) 14.75,21.46 v1(14.81,21.4)
LEDCA: LD17A.2 R3A.2 | length 10.3
  L1 w0.152: LD17A.2@4.4,80.732 5.365,80.732 7.071,79.026 12.975,79.026 13.31,78.691 ; 13.311,78.691 13.4,78.602 R3A.2@13.4,78.201
LEDCB: LD17B.2 R3B.2 | length 10.2
  L1 w0.152: LD17B.2@4.4,38.925 6.182,38.925 7.096,38.01 13.083,38.01 13.218,37.876 13.218,37.234 R3B.2@13.4,37.051
LEDDA: LD18A.2 R4A.2 | length 12.9
  L1 w0.152: LD18A.2@4.4,90.793 5.629,90.793 6.375,90.047 6.375,88.13 7.305,87.2 13.661,87.2 13.75,87.111 13.75,86.864 R4A.2@14.224,86.39
LEDDB: LD18B.2 R4B.2 | length 12.2
  L1 w0.152: LD18B.2@4.4,48.897 5.978,48.897 6.375,48.5 6.375,46.98 6.659,46.695 8.555,46.695 9.6,45.65 13.814,45.65 R4B.2@14.224,45.24
LVDS0A_N: IC1A.14 J2A.3 R13A.2 | length 117.8
  L1 w0.152: IC1A.14@56.475,73.75 56.475,74.09 56.53,74.145 56.53,74.758 R13A.2@56.833,75.062 ; R13A.2@56.744,74.992 56.744,75.012 57.542,75.81 57.611,75.81 57.648,75.847 59.909,75.847 67.725,68.031 71.907,68.031 74.51,65.429 140.827,65.429 147.506,58.75 156.116,58.75 157.512,57.354 157.512,54.809 157.029,54.326 154.182,54.326 J2A.3@153.114,53.258
LVDS0A_P: IC1A.13 J2A.2 R13A.1 | length 115.4
  L1 w0.152: IC1A.13@56.975,73.75 57.003,73.778 57.003,74.291 57.527,74.815 57.527,74.835 R13A.1@57.684,74.992 57.684,75.452 57.774,75.542 59.783,75.542 67.598,67.727 71.781,67.727 74.384,65.124 140.701,65.124 147.38,58.445 155.99,58.445 157.208,57.227 157.208,54.935 156.903,54.63 154.931,54.63 154.842,54.72 154.842,54.986 J2A.2@155.654,55.798
LVDS0B_N: IC1B.14 J2B.3 R13B.2 | length 92.7
  L1 w0.152: IC1B.14@57.5,59.07 57.5,59.41 57.643,59.553 57.643,59.92 57.553,60.009 57.539,60.009 57.325,60.223 R13B.2@57.325,60.243 57.325,60.263 57.539,60.477 57.553,60.477 57.643,60.566 57.643,61.176 58.249,61.783 66.768,61.783 69.216,59.336 104.607,59.336 106.715,57.227 132.141,57.227 132.54,57.627 137.335,57.627 138.657,56.304 138.657,54.834 138.269,54.445 135.505,54.445 J2B.3@134.344,53.284
LVDS0B_P: IC1B.13 J2B.2 R13B.1 | length 90.2
  L1 w0.152: IC1B.13@58,59.07 57.972,59.098 57.972,59.503 57.947,59.527 57.947,59.92 58.037,60.009 58.051,60.009 58.265,60.223 R13B.1@58.265,60.243 58.265,60.263 58.051,60.477 58.037,60.477 57.947,60.566 57.947,61.05 58.375,61.478 66.642,61.478 69.089,59.031 104.481,59.031 106.589,56.923 132.267,56.923 132.667,57.322 137.208,57.322 138.353,56.178 138.353,54.96 138.142,54.75 136.23,54.75 136.23,54.956 136.884,55.61 J2B.2@136.884,55.824
LVDS1A_N: IC1A.10 J2A.6 R11A.2 | length 107.3
  L1 w0.152: IC1A.10@57.675,72.05 58.015,72.05 58.114,71.951 58.562,71.951 58.651,72.04 58.651,72.055 58.865,72.269 R11A.2@58.885,72.269 58.905,72.269 59.119,72.055 59.119,72.04 59.208,71.951 60.561,71.951 66.436,66.076 70.608,66.076 72.934,63.75 108.799,63.75 111.049,61.5 141.695,61.5 150.945,52.25 153.469,52.25 154.537,51.182 154.537,50.808 154.626,50.718 J2A.6@155.654,50.718
LVDS1A_P: IC1A.9 J2A.5 R11A.1 | length 106.8
  L1 w0.152: IC1A.9@57.675,71.55 58.015,71.55 58.111,71.646 58.562,71.646 58.651,71.557 58.651,71.542 58.865,71.329 R11A.1@58.885,71.329 58.905,71.329 59.119,71.542 59.119,71.557 59.208,71.646 60.435,71.646 66.31,65.772 70.482,65.772 72.808,63.445 108.673,63.445 110.923,61.195 141.568,61.195 150.818,51.945 153.342,51.945 154.232,51.055 154.232,50.808 154.143,50.718 J2A.5@153.114,50.718
LVDS1B_N: IC1B.10 J2B.6 R11B.2 | length 81.4
  L1 w0.152: IC1B.10@58.7,57.37 59.04,57.37 59.183,57.227 59.577,57.227 59.666,57.317 59.666,57.331 59.88,57.545 R11B.2@59.9,57.545 59.92,57.545 60.134,57.331 60.134,57.317 60.223,57.227 103.724,57.227 108.702,52.25 134.723,52.25 135.766,51.207 135.766,50.833 135.855,50.744 J2B.6@136.884,50.744
LVDS1B_P: IC1B.9 J2B.5 R11B.1 | length 80.9
  L1 w0.152: IC1B.9@58.7,56.87 58.728,56.898 59.133,56.898 59.157,56.923 59.577,56.923 59.666,56.833 59.666,56.819 59.88,56.605 R11B.1@59.9,56.605 59.92,56.605 60.134,56.819 60.134,56.833 60.223,56.923 103.598,56.923 108.576,51.945 134.597,51.945 135.461,51.081 135.461,50.833 135.372,50.744 J2B.5@134.344,50.744
LVDS2A_N: IC1A.4 J2A.9 R9A.2 | length 114.9
  L1 w0.152: IC1A.4@57.675,69.05 58.015,69.05 58.089,69.124 58.117,69.124 58.196,69.202 58.552,69.202 58.641,69.292 58.641,69.306 58.855,69.52 R9A.2@58.875,69.52 58.895,69.52 59.109,69.306 59.109,69.292 59.198,69.202 60.26,69.202 64.732,64.73 69.17,64.73 71.431,62.469 107.347,62.469 109.775,60.04 140.466,60.04 150.791,49.715 156.619,49.715 157.423,48.911 157.423,47.693 156.426,46.695 154.171,46.695 J2A.9@153.114,45.638
LVDS2A_P: IC1A.3 J2A.8 R9A.1 | length 113.2
  L1 w0.152: IC1A.3@57.675,68.55 57.975,68.55 58.322,68.898 58.552,68.898 58.641,68.808 58.641,68.794 58.855,68.58 R9A.1@58.875,68.58 58.895,68.58 59.109,68.794 59.109,68.808 59.198,68.898 60.134,68.898 64.606,64.425 69.043,64.425 71.305,62.164 107.221,62.164 109.649,59.735 140.34,59.735 150.665,49.41 156.492,49.41 157.118,48.784 157.118,47.819 156.299,47 154.931,47 154.842,47.089 154.842,47.366 J2A.8@155.654,48.178
LVDS2B_N: IC1B.4 J2B.9 R9B.2 | length 89.9
  L1 w0.152: IC1B.4@58.7,54.37 59.04,54.37 59.133,54.277 59.652,54.277 59.741,54.367 59.741,54.381 59.955,54.595 R9B.2@59.975,54.595 59.995,54.595 60.209,54.381 60.209,54.367 60.298,54.277 65.267,54.277 66.114,55.124 101.332,55.124 106.715,49.741 134.759,49.741 134.769,49.75 136.459,49.75 136.468,49.741 138.112,49.741 138.726,49.126 138.726,47.693 137.729,46.695 137.536,46.695 137.508,46.667 136.468,46.667 136.303,46.502 135.925,46.502 135.841,46.586 135.266,46.586 J2B.9@134.344,45.664
LVDS2B_P: IC1B.3 J2B.8 R9B.1 | length 88.6
  L1 w0.152: IC1B.3@58.7,53.87 59.04,53.87 59.143,53.973 59.652,53.973 59.741,53.883 59.741,53.869 59.955,53.655 R9B.1@59.975,53.655 59.995,53.655 60.209,53.869 60.209,53.883 60.298,53.973 65.394,53.973 66.241,54.819 101.206,54.819 106.589,49.436 134.886,49.436 134.895,49.445 136.214,49.445 136.223,49.436 137.986,49.436 138.422,49 138.422,47.819 137.603,47 137.41,47 137.382,46.972 136.342,46.972 136.177,46.807 136.051,46.807 135.962,46.896 135.962,47.282 J2B.8@136.884,48.204